# Allegro board FMDEMOD-57.brd (continued)
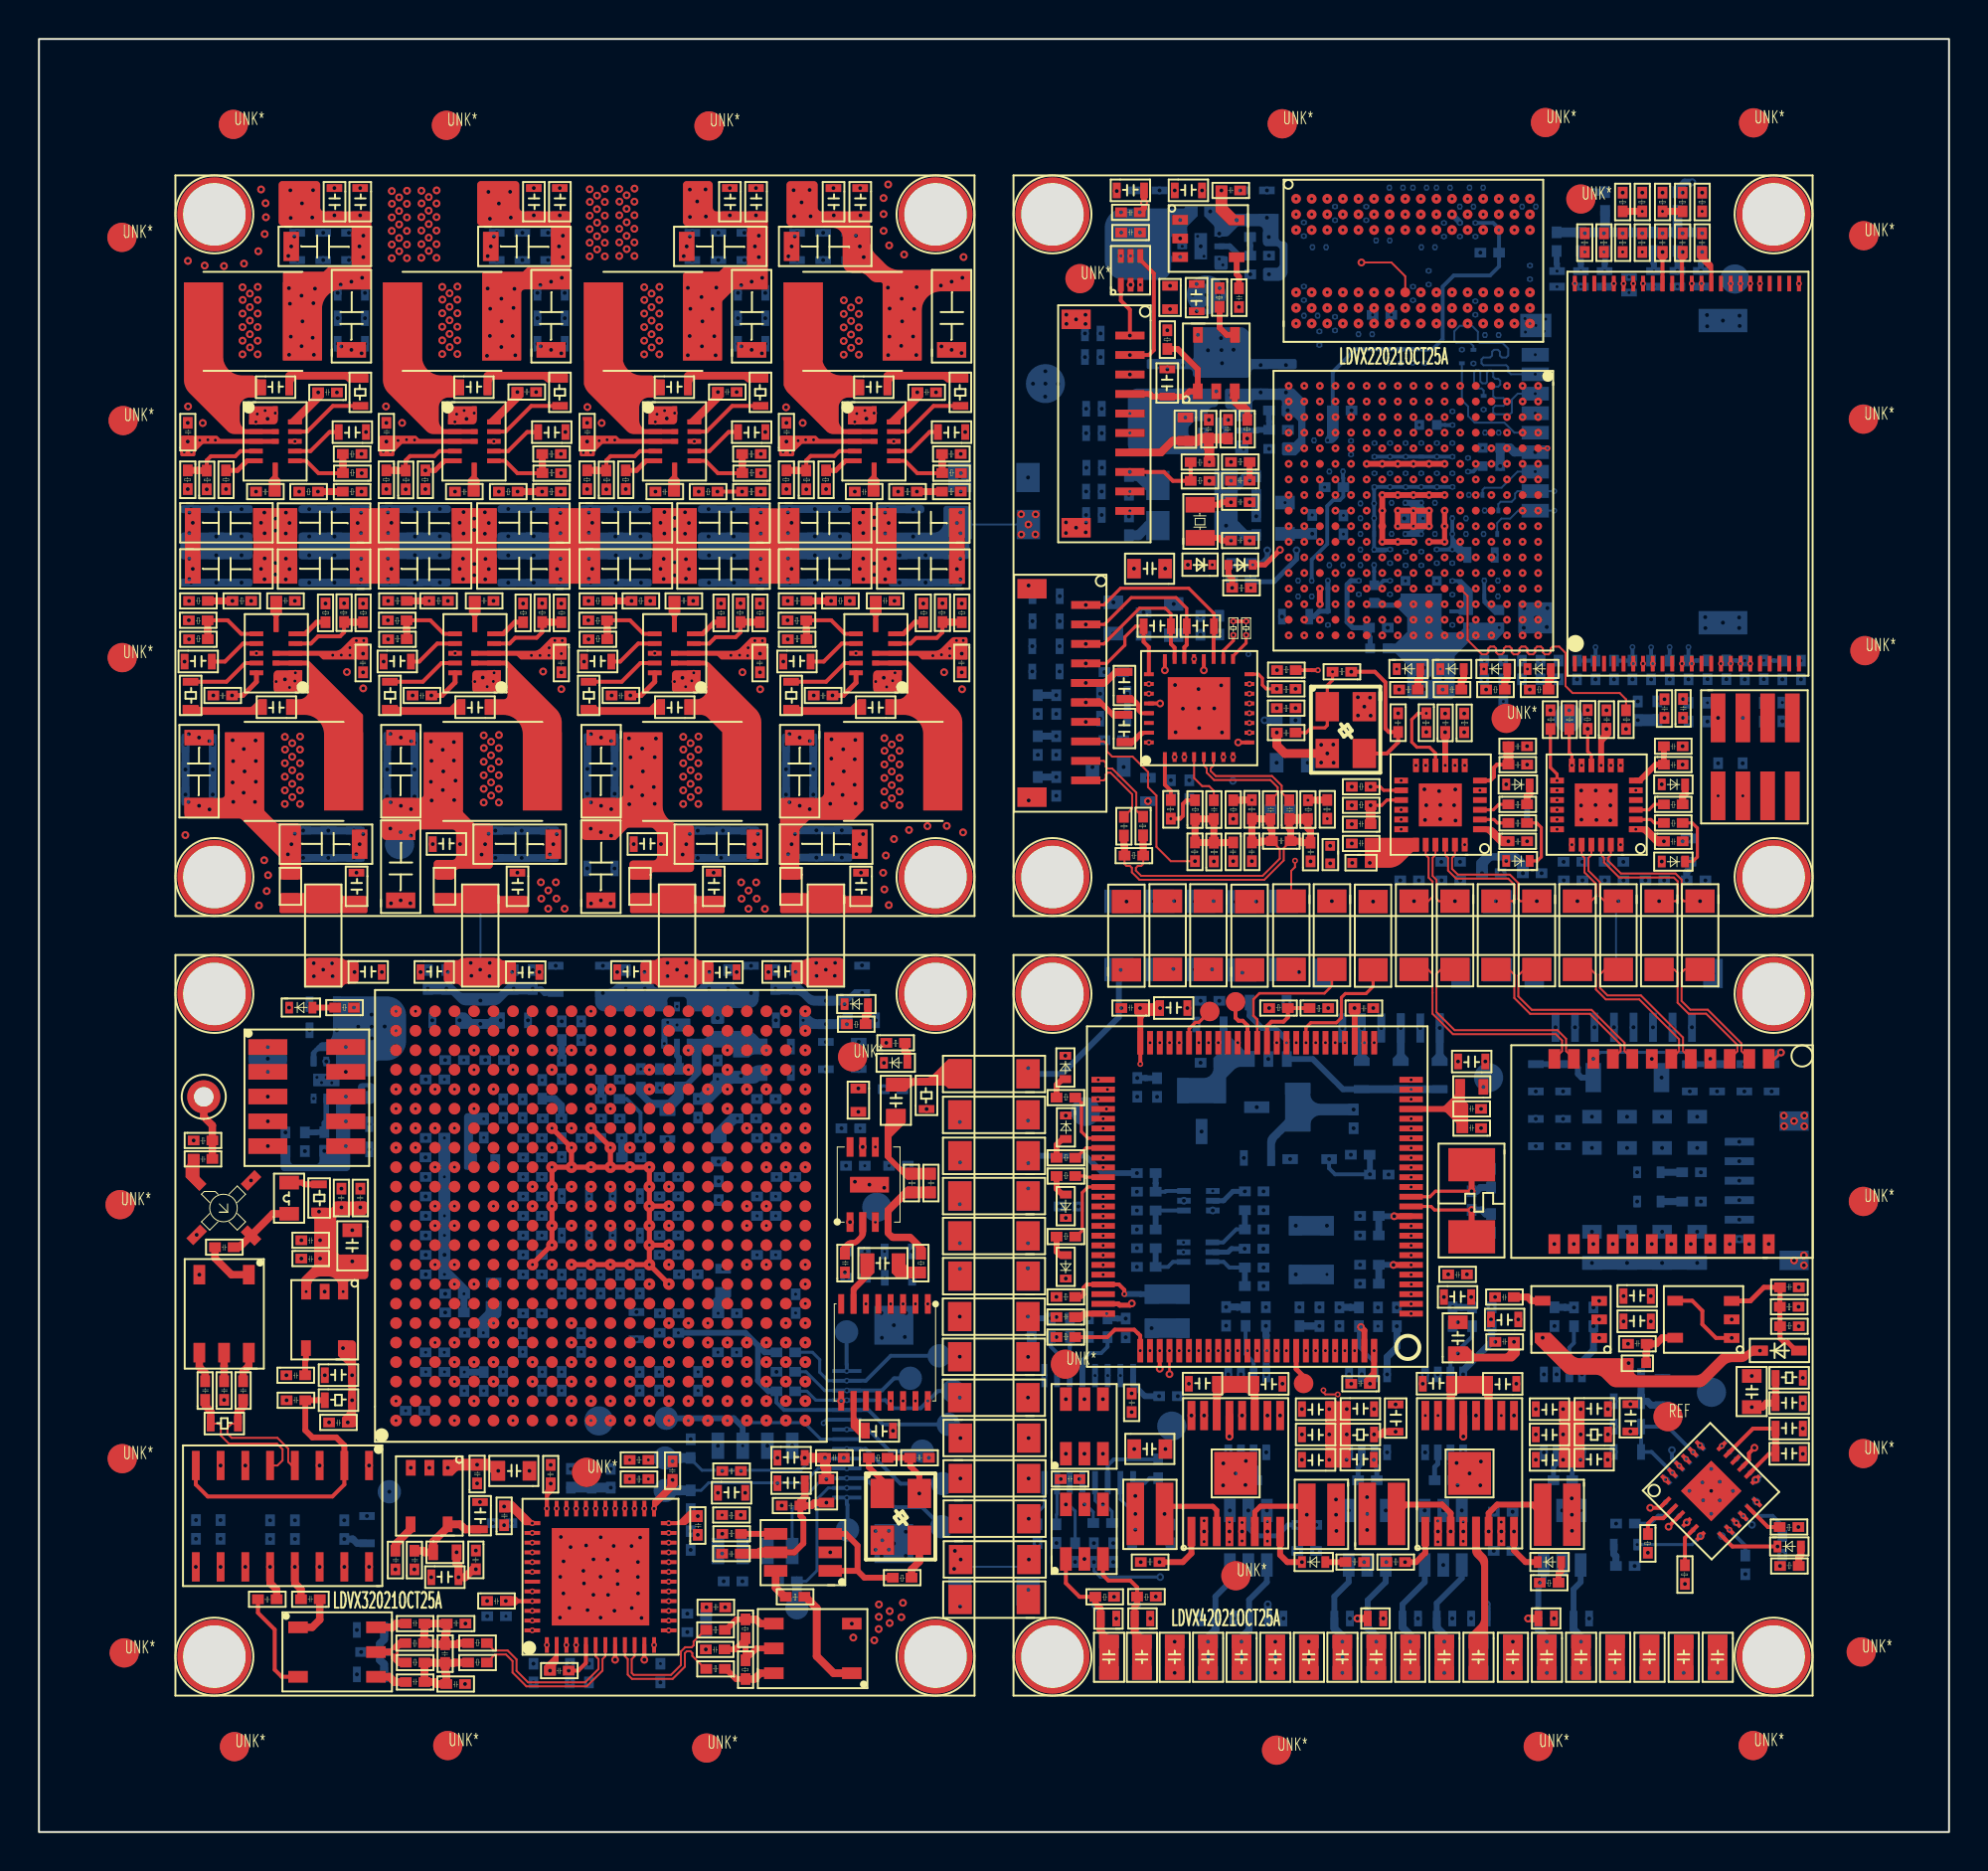
[diagram p0: board, top side]
## Routing (per net, layer and track width the routed paths; a pad name or vN(x,y) marks a point on that pad's centre or on a via; arc(x,y) is an arc through that point) (continued)
1V2_FPGA_PWR:
  vias: v3(38.19,60.05) v3(38.42,61.2) v3(38.44,50.17) v3(38.51,52.84) v3(38.61,50.69) v3(38.79,51.21) v3(39.03,52.66) v3(39.54,52.48) v3(40.6,52.76) v3(40.66,56.07) v3(40.65,55.08) v3(40.73,53.78) v3(41.23,53.21) v3(41.26,55.55) v3(41.29,54.42) v3(41.88,56.03) v3(41.86,55.04) v3(41.85,53.74) v3(41.9,52.77) v4(38.58,50) v4(39.73,55.8) v4(39.73,54.53) v4(39.73,53.23) v4(39.89,50) v4(41.19,50)
2V5_FPGA_IN:
  vias: v3(31.07,44.12) v3(32.25,44.6) v3(32.25,43.91) v3(32.73,44.25) v3(33.21,44.6) v3(33.22,43.91) v3(34.4,44.12) v4(28.93,43.05) v4(30.11,43.27) v4(31.09,43.27) v4(34.38,43.27) v4(34.82,41.76) v4(35.36,43.27) v4(36.53,43.05)
2V5_FPGA_PWR:
  vias: v3(27.97,60.05) v3(28.2,61.2) v3(28.32,52.83) v3(28.31,51.48) v3(28.84,52.66) v3(28.83,51.3) v3(29.36,52.48) v3(29.36,51.12) v3(30.27,56.11) v3(30.35,55.14) v3(30.29,52.73) v3(30.41,53.63) v3(30.95,55.59) v3(30.98,54.42) v3(30.95,53.19) v3(31.55,53.62) v3(31.59,55.15) v3(31.59,52.76) v3(31.65,56.11) v3(31.91,50.69) v3(33.03,50.16) v3(33.21,50.69) v3(33.39,51.21) v4(29.54,55.83) v4(29.54,54.55) v4(29.54,53.27) v4(29.53,49.44) v4(33.8,49.98) v4(35,49.99) v4(36.38,49.98)
3V3_AUDIO: length 15.1
  PWR-L6 w0.26: 59.54,54.09 58.93,54.71 57.49,54.71 57.23,54.45 57.23,54.42 v4(56.9,54.09) 56.2,54.09 v4(55.65,54.64) ; 60.56,54.45 v13(61.27,55.16) 61.97,55.16 62.02,55.11 62.11,55.2 v13(62.11,56.41)
  SIGNAL-L7 w0.26: v13(62.11,56.41) 62.39,56.12 62.39,55.7 61.85,55.16 v13(61.27,55.16) 57.3,55.16 56.9,54.76 v4(56.9,54.09)
  vias: v1(56.95,55.91) v4(52.19,53.17) v4(55.63,56.02) v4(61.26,53.93)
3V3_FPGA: length 1.3
  BOTTOM w0.3: C455.2 25.95,43.05 25.75,43.24 25.36,43.24 v4(25.33,43.27)
  vias: v3(20.98,44.12) v3(22.15,44.59) v3(22.18,43.93) v3(22.64,44.25) v3(23.13,44.59) v3(23.12,43.91) v3(24.27,44.12) v4(19.95,43.27) v4(20.9,43.27) v4(22.65,42.66) v4(24.36,43.27)
3V3_FPGA_PWR:
  vias: v3(17.68,60.05) v3(17.91,61.2) v3(18.04,52.84) v3(18.03,51.49) v3(18.57,52.66) v3(18.56,51.3) v3(19.09,52.48) v3(19.08,51.12) v3(20.11,55.95) v3(20.14,54.96) v3(20.11,53.89) v3(20.15,52.93) v3(20.71,55.53) v3(20.74,54.42) v3(20.72,53.46) v3(21.29,55.93) v3(21.29,54.98) v3(21.3,52.95) v3(21.37,53.95) v3(21.6,50.69) v3(22.71,50.15) v3(22.89,50.69) v3(23.07,51.22) v4(19.27,55.89) v4(19.27,54.52) v4(19.27,53.13) v4(23.41,49.98) v4(24.77,49.98) v4(26.12,49.98)
3V3_IF:
  vias: v3(15.6,24.83) v3(15.85,21.02) v3(16.06,23.44) v3(16.06,22.15) v4(11.86,16) v4(13.13,16) v4(16.83,16.22)
3V3_MCU: length 26.5
  TOP w0.2: U19.50 v1(56.51,39.41)
  TOP w0.3: U19.11 v20(69.53,31.6) ; v1(70.4,29.1) v20(69.5,29.1)
  PWR-L6 w0.2: v1(68.5,24.7) 68.5,25.43 68.7,25.63 v2(68.7,25.95)
  PWR-L6 w0.3: v4(56.35,38.69) 56.35,38.96 56.51,39.12 v1(56.51,39.41) ; v3(72.08,27.45) 72.08,28.02 72.31,28.24 v3(72.31,28.61) 71.67,28.61 71.19,29.1 v1(70.4,29.1) ; v3(75.9,26.3) 75.9,25.92 75.68,25.7 v3(75.68,25.15) 76.06,25.15 76.27,25.36 v3(77.15,25.36) ; v3(53.64,16.81) 53.64,17.38 53.38,17.63 v3(53.38,18.11)
  BOTTOM w0.25: v4(62.05,16.5) 62.05,15.58 62.44,15.19 63.52,15.19 64.08,15.76 v4(64.57,15.76)
  BOTTOM w0.26: U42.5 61.01,29.75 61.18,29.93 v4(61.86,29.93) ; v4(61.87,32.87) 61.26,32.87 60.78,32.39 U41.5
  BOTTOM w0.3: v20(69.53,31.6) 68.76,31.6 C525.1 ; v4(57.47,22.36) 56.74,22.36 56.13,22.97 U47.16 ; v20(69.5,29.1) 69.49,29.11 C546.1 ; R309.2 56.79,38.68 56.78,38.69 v4(56.35,38.69)
  BOTTOM w0.36: C532.1 C525.1 ; C553.1 C546.1
  vias: v1(54.78,26.6) v3(52.2,27.46) v3(52.2,25.4) v3(53.64,22.21) v3(55.16,12.07) v3(56.06,21.55) v3(56.2,19.65) v3(56.49,42.28) v3(57.3,12.08) v3(57.52,42.28) v3(58.27,9.77) v3(58.27,8.17) v3(66.15,42.28) v3(67.5,42.28) v3(67.99,13.85) v3(68.29,23) v3(68.61,9.77) v3(68.61,8.17) v3(68.97,10.96) v3(72.8,24.56) v3(74.11,38.23) v3(74.21,39.54) v3(77,12.79) v3(77.36,9.77) v3(77.36,8.17) v3(77.73,10.96) v3(81.56,24.06) v3(88.3,24.7) v3(89.33,13.65) v4(52.37,32.1) v4(55.15,12.08) v4(57.3,12.08) v4(58.05,15.78) v4(59.38,41.44) v4(60.56,42.65) v4(61.82,34.59) v4(63.44,9.77) v4(63.44,8.17) v4(63.85,10.96) v4(64.02,42.56) v4(64.48,31.11) v4(64.67,26.92) v4(65.52,14.43) v4(66.08,31.11) v4(68.15,16.5) v4(69.24,33.73) v4(72.05,16.5) v4(73.48,10.96) v4(73.86,9.77) v4(73.86,8.17) v4(74.65,16.43) v4(75.6,14.43) v4(78.15,16.5) v4(81.87,13.65)
5V_AUDIO:
  vias: v1(56.95,58.91) v1(59.27,60.19) v4(55.63,59.52) v4(56.68,61.38) v4(58.22,61.41) v4(59.59,61.43) v4(60.56,61.44)
5V_FPGA: length 33.8
  SIGNAL-L4 w0.36: v3(42.04,38.15) 40.12,38.15 37.44,40.84 20.68,40.84 15.52,35.68 v3(15.52,32.05)
  PWR-L6 w0.26: 12.85,34.58 12.65,34.78 v4(12.65,34.94)
  vias: v1(13.71,27.73) v1(15.61,27.73) v3(14.37,31.83) v3(14.42,30.36) v3(14.42,29.42) v3(16.07,29.28) v3(16.49,32.05) v3(19.08,18.69) v3(20.98,18.69) v3(22.48,18.85) v3(23.56,18.53) v4(14.64,34.95) v4(15.39,37.64) v4(15.54,36.32) v4(15.54,35.02) v4(16.8,38.12) v4(42.06,39.15) v4(43.34,38.11)
5V_FPGA_IN:
  vias: v3(14.09,44.58) v3(14.1,43.91) v3(14.58,44.25) v3(15.03,44.57) v3(15.07,43.91) v3(16.19,44.12) v4(15.28,42.48) v4(15.28,41.14) v4(16.38,41.32) v4(17.06,41.94) v4(17.07,41.32) v4(17.08,40.72) v4(17.74,41.33)
5V_FPGA_PWR:
  vias: v3(7.47,60.05) v3(7.7,61.2) v3(7.67,52.85) v3(8.21,52.66) v3(8.75,52.47) v3(9.94,56.02) v3(9.94,53.85) v3(9.96,54.94) v3(9.97,52.86) v3(10.51,55.57) v3(10.55,54.42) v3(10.5,53.33) v3(11.11,56.01) v3(11.13,54.95) v3(11.13,53.89) v3(11.08,52.85) v3(12.77,50.16) v3(12.95,50.69) v3(13.13,51.22) v4(8.92,55.8) v4(8.92,54.52) v4(8.92,53.23) v4(13.55,49.98) v4(14.85,49.98) v4(16.16,49.98)
5V_MCU: length 15.2
  PWR-L6 w0.2: v3(80.05,25.35) 80.45,25.35 v3(81.3,26.2) v3(81.3,27.5) 80.68,27.5 80.43,27.25 v3(80.05,27.25)
  BOTTOM w0.36: v4(79.17,23.48) 79.17,24.13 79.76,24.72 v4(79.76,25.95) ; v4(69.17,23.48) 69.17,24.37 69.67,24.87 v4(69.67,25.95) ; v4(74.53,25.95) 74.53,25.14 73.07,23.68 v4(73.07,23.48) ; v4(62.97,23.48) 62.97,25.47 62.95,25.49 v4(62.95,25.97)
  vias: v4(79.68,35.1) v4(81.48,35.1) v4(83.28,35.1) v4(85.08,35.1) v4(85.27,33.85) v4(87.24,35.42) v4(87.24,34.42)
12V_MTR: length 1.2
  TOP w0.36: v3(68.5,20.4) 68.88,20.4 69.02,20.54 v3(69.6,20.54)
  vias: v3(80.5,20.4) v3(81.65,20.55) v3(90.29,25.95) v3(90.5,23.3) v4(79.68,30.8) v4(80.8,23.4) v4(81.48,30.8) v4(83.28,30.8) v4(85.08,30.8) v4(85.27,32.35) v4(87.24,31.42) v4(87.24,30.42)
GND: length 61.3
  TOP w0.2: v25(27.18,8.28) 27.67,8.28 28.06,8.67 U33.5 ; U33.11 v25(31.06,8.84) ; U33.8 v25(29.56,8.84)
  TOP w0.25: U19.74 55.38,27.1 55.45,27.03 55.98,27.03 v25(56.07,27.12)
  TOP w0.3: U19.99 68,25.73 v25(67.83,25.91)
  TOP w0.38: D23.1 v25(67.65,10.96) ; D24.1 v25(76.41,10.96)
  TOP w0.4: U27.13 v25(73.08,20.29) ; U26.13 61.08,20.35 v25(61.08,20.29)
  TOP w0.45: v26(66.1,55.34) 63.92,55.34 63.51,55.75 v26(63.51,56.41)
  GND-L2 w0.1: v24(67.32,71) 66.95,71.37 65.35,71.37 ; v24(67.32,69.4) 66.92,69.8 66.12,69.8 v24(65.72,69.4) ; 77.37,63.39 75.71,63.39 ; 75.71,63.39 72.51,63.39 v24(72.12,63) ; 75.71,63.39 v24(75.32,63) ; v24(68.12,66.2) 67.74,66.58 66.1,66.58 v24(65.72,66.2) ; v26(61.01,72.46) 61.56,73.01 65.31,73.01 ; 65.35,71.37 62.49,71.37 62.37,71.5 v27(61.99,71.5) ; 65.35,71.37 v24(65.72,71) ; v24(67.32,72.6) 66.91,73.01 ; 66.91,73.01 65.31,73.01 ; 66.91,73.01 68.51,73.01 v24(68.92,72.6) ; v24(72.12,71) 71.72,71.39 70.92,71.39 v24(70.52,71) ; v24(75.32,66.2) 74.91,66.61 74.13,66.61 v24(73.72,66.2) ; 65.31,73.01 v24(65.72,72.6)
  BOTTOM w0.1: v21(47.27,67.09) v20(50.77,67.09) ; v21(80.92,44.15) v21(80.92,47.72) ; v21(22.65,47.74) v21(22.65,44.24) ; v21(47.27,13.61) v21(50.73,13.61)
  BOTTOM w0.2: J9.6 40.43,21.16 v31(40.26,20.98)
  BOTTOM w0.38: D51.1 v21(63.05,11.68) ; C247.2 84.06,84.27 84.44,84.65 v21(84.83,84.65) ; C248.2 v21(79.78,84.14) ; v21(74.28,11.68) 74.28,11.47 74.28,11.47 D46.1
  vias: v4(34.23,10.26) v9(21.93,72.51) v20(7.51,51.15) v20(7.64,80.61) v20(7.65,73.15) v20(8.4,72.3) v20(8.5,80.38) v20(9.49,80.35) v20(10.44,79.26) v20(10.44,77.91) v20(10.44,77.22) v20(10.44,76.52) v20(10.44,75.82) v20(10.52,80.47) v20(10.45,78.61) v20(10.82,78.94) v20(10.82,78.24) v20(10.82,77.55) v20(10.82,76.85) v20(10.82,76.17) v20(11.22,79.28) v20(11.22,78.61) v20(11.22,77.91) v20(11.22,77.22) v20(11.22,76.52) v20(11.22,75.82) v20(11.25,81.11) v20(11.29,47.54) v20(11.39,84.28) v20(11.62,83.57) v20(11.64,82.85) v20(11.58,81.99) v20(11.55,49.86) v20(11.68,48.28) v20(11.75,49.09) v20(12.62,56.19) v20(12.62,55.54) v20(12.62,54.84) v20(12.61,54.15) v20(12.62,53.45) v20(12.61,52.75) v20(12.99,55.87) v20(12.99,55.17) v20(12.99,54.48) v20(12.99,53.78) v20(13,53.1) v20(13.4,56.21) v20(13.39,55.54) v20(13.39,54.84) v20(13.39,54.15) v20(13.39,53.45) v20(13.39,52.75) v20(15.8,59.52) v20(16.64,58.68) v20(17.8,73.15) v20(18.1,84.2) v20(18.11,83.55) v20(18.1,82.84) v20(18.1,82.15) v20(18.1,81.45) v20(18.1,80.75) v20(18.48,83.87) v20(18.48,83.17) v20(18.48,82.48) v20(18.48,81.79) v20(18.48,81.11) v20(18.63,72.3) v20(18.88,84.21) v20(18.88,83.54) v20(18.88,82.85) v20(18.88,82.15) v20(18.88,81.45) v20(18.88,80.75) v20(19.62,84.21) v20(19.63,83.56) v20(19.62,82.86) v20(19.62,82.17) v20(19.62,81.47) v20(19.62,80.77) v20(20,83.89) v20(19.99,83.19) v20(20,82.5) v20(20,81.8) v20(20,81.13) v20(20.4,84.23) v20(20.4,83.56) v20(20.4,82.86) v20(20.39,82.17) v20(20.4,81.47) v20(20.4,80.77) v20(20.69,79.28) v20(20.7,78.63) v20(20.69,77.93) v20(20.69,77.23) v20(20.69,76.54) v20(20.69,75.84) v20(21.07,78.95) v20(21.06,78.26) v20(21.07,77.57) v20(21.07,76.87) v20(21.07,76.19) v20(21.47,79.3) v20(21.46,78.62) v20(21.47,77.93) v20(21.46,77.23) v20(21.46,76.53) v20(21.47,75.84) v20(22.82,56.27) v20(22.83,55.62) v20(22.82,54.92) v20(22.82,54.22) v20(22.82,53.53) v20(22.82,52.83) v20(23.2,55.94) v20(23.19,55.25) v20(23.2,54.56) v20(23.2,53.86) v20(23.2,53.18) v20(23.6,56.28) v20(23.59,55.61) v20(23.59,54.92) v20(23.59,54.23) v20(23.59,53.52) v20(23.59,52.83) v20(25.75,48.73) v20(25.77,47.89) v20(25.86,59.55) v20(26.13,48.31) v20(26.13,47.38) v20(26.52,48.73) v20(26.55,47.89) v20(26.75,13.09) v20(26.73,11) v20(26.8,58.64) v20(26.77,15.14) v20(26.91,13.89) v20(26.91,12.24) v20(26.97,47.37) v20(27.21,11.5) v20(27.27,14.62) v20(27.93,13.4) v20(27.96,12.75) v20(28.14,73.11) v20(28.07,14.7) v20(28.14,11.39) v20(28.26,84.29) v20(28.26,83.64) v20(28.26,82.94) v20(28.25,82.24) v20(28.25,81.55) v20(28.25,80.85) v20(28.45,13.99) v20(28.45,12.17) v20(28.63,83.96) v20(28.63,83.27) v20(28.63,82.58) v20(28.63,81.88) v20(28.64,81.2) v20(28.82,15.12) v20(28.81,13.1) v20(28.81,11) v20(28.87,72.3) v20(29.04,84.31) v20(29.03,83.64) v20(29.03,82.94) v20(29.03,82.25) v20(29.03,81.55) v20(29.03,80.85) v20(29.17,13.98) v20(29.2,12.17) v20(29.49,14.68) v20(29.52,11.35) v20(29.68,13.4) v20(29.69,12.72) v20(29.77,84.31) v20(29.78,83.66) v20(29.77,82.95) v20(29.77,82.26) v20(29.77,81.56) v20(29.77,80.86) v20(30.15,83.28) v20(30.15,83.98) v20(30.15,82.59) v20(30.15,81.9) v20(30.16,81.22) v20(30.4,14.67) v20(30.41,11.49) v20(30.55,82.26) v20(30.55,84.32) v20(30.55,83.65) v20(30.55,82.95) v20(30.55,81.56) v20(30.55,80.86) v20(30.73,13.86) v20(30.73,13.09) v20(30.74,12.24) v20(30.84,15.11) v20(30.91,10.98) v20(31.05,79.26) v20(31.06,78.61) v20(31.05,77.91) v20(31.05,77.22) v20(31.05,76.52) v20(31.05,75.82) v20(31.43,78.94) v20(31.43,78.24) v20(31.43,77.55) v20(31.43,76.85) v20(31.43,76.17) v20(31.83,79.28) v20(31.83,78.61) v20(31.83,77.91) v20(31.83,77.22) v20(31.83,76.52) v20(31.83,75.82) v20(33.05,56.19) v20(33.06,55.54) v20(33.05,54.84) v20(33.05,54.15) v20(33.05,53.45) v20(33.05,52.75) v20(33.43,55.87) v20(33.43,55.17) v20(33.43,54.48) v20(33.43,53.78) v20(33.44,53.1) v20(33.84,56.21) v20(33.83,55.54) v20(33.83,54.84) v20(33.83,54.15) v20(33.83,53.45) v20(33.83,52.75) v20(36.03,48.73) v20(36.05,47.89) v20(36.09,59.51) v20(36.41,48.31) v20(36.4,47.37) v20(36.8,48.72) v20(36.83,47.89) v20(37,58.63) v20(37.25,47.37) v20(38.33,73.1) v20(39.19,72.3) v20(41.3,78.59) v20(41.29,77.89) v20(41.29,77.2) v20(41.29,76.5) v20(41.29,75.8) v20(41.66,78.22) v20(41.67,77.53) v20(41.67,76.84) v20(41.67,76.16) v20(41.78,9.98) v20(42.06,78.59) v20(42.07,77.89) v20(42.06,77.2) v20(42.06,76.5) v20(42.07,75.8) v20(42.86,9.84) v20(43.1,11.68) v20(43.09,11.04) v20(43.08,10.42) v20(43.33,83.84) v20(43.33,83.01) v20(43.34,82.16) v20(43.31,49.22) v20(43.38,56.13) v20(43.38,55.48) v20(43.38,54.78) v20(43.37,54.08) v20(43.38,53.39) v20(43.37,52.69) v20(43.38,48.36) v20(43.45,50.1) v20(43.57,84.53) v20(43.62,81.41) v20(43.6,47.56) v20(43.65,11.33) v20(43.65,10.72) v20(43.75,55.8) v20(43.75,55.11) v20(43.75,54.42) v20(43.75,53.72) v20(43.76,53.04) v20(43.87,50.95) v20(44.15,54.09) v20(44.16,56.14) v20(44.15,55.48) v20(44.15,54.78) v20(44.15,53.38) v20(44.15,52.69) v20(44.25,11.03) v20(44.33,11.76) v20(44.39,80.94) v20(44.64,51.41) v20(45.58,51.61) v20(46.44,59.51) v20(46.58,51.62) v20(47.44,80.81) v20(47.36,58.64) v20(47.41,51.29) v20(50.39,67.61) v20(50.4,66.57) v20(51.14,67.61) v20(51.12,66.58) v20(89.53,36.76) v20(89.54,36.22) v20(90.05,36.48) v20(90.05,29.33) v20(90.57,36.76) v20(90.57,36.22) v20(90.55,29.59) v20(90.56,29.08) v21(7.52,55.8) v21(7.52,54.52) v21(7.52,53.23) v21(7.8,66.47) v21(7.8,65.51) v21(8.06,16) v21(9.09,66.47) v21(9.09,65.51) v21(10.39,66.47) v21(10.39,65.51) v21(11.74,39.68) v21(13.25,80.65) v21(13.55,51.38) v21(13.64,34.94) v21(13.87,66.47) v21(13.87,65.51) v21(13.88,42.48) v21(13.88,41.14) v21(14.14,48.07) v21(14.14,47.44) v21(14.11,44.58) v21(14.11,43.92) v21(14.58,80.66) v21(14.59,47.74) v21(14.59,44.24) v21(14.85,51.38) v21(15.04,43.94) v21(15.05,48.06) v21(15.06,47.42) v21(15.07,44.57) v21(15.16,66.47) v21(15.16,65.51) v21(15.66,16) v21(15.9,80.66) v21(16.16,51.38) v21(16.31,10.37) v21(16.31,8.09) v21(16.46,66.47) v21(16.46,65.51) v21(16.53,9.23) v21(16.73,78.97) v21(16.73,77.67) v21(16.73,76.36) v21(16.94,36.32) v21(16.94,35.02) v21(17.87,55.89) v21(17.87,54.52) v21(17.87,53.13) v21(17.99,66.47) v21(17.99,65.51) v21(19.29,66.47) v21(19.29,65.51) v21(19.84,38.62) v21(19.84,35.61) v21(19.83,34.62) v21(19.84,33.61) v21(19.84,32.61) v21(19.85,31.61) v21(19.85,30.61) v21(19.85,29.61) v21(19.85,28.61) v21(19.95,44.23) v21(20.18,41.65) v21(20.57,66.48) v21(20.57,65.51) v21(20.84,39.61) v21(20.84,27.62) v21(20.84,26.66) v21(20.9,44.23) v21(22.17,48.08) v21(22.19,47.42) v21(22.16,44.59) v21(22.19,43.93) v21(22.9,39.61) v21(23,11.07) v21(23.1,48.06) v21(23.1,47.44) v21(23.13,44.58) v21(23.1,43.93) v21(23.28,15.85) v21(23.41,51.38) v21(23.48,80.66) v21(24.08,66.48) v21(24.08,65.5) v21(24.36,44.23) v21(24.8,80.66) v21(24.77,51.38) v21(25.09,41.65) v21(25.33,44.23) v21(25.39,66.48) v21(25.39,65.5) v21(25.37,7.68) v21(26.12,80.66) v21(26.12,51.38) v21(26.51,44.45) v21(26.68,66.47) v21(26.68,65.5) v21(26.82,41.59) v21(26.98,78.97) v21(26.98,77.67) v21(26.98,76.36) v21(27.24,7.68) v21(27.29,18.63) v21(28.14,55.83) v21(28.14,54.55) v21(28.14,53.27) v21(28.13,49.44) v21(28.22,7.68) v21(28.29,66.47) v21(28.3,65.5) v21(28.36,18.63) v21(28.93,44.45) v21(29.34,18.63) v21(29.57,66.47) v21(29.59,65.5) v21(30.11,44.23) v21(30.66,26.68) v21(30.86,66.47) v21(30.89,65.5) v21(31.09,44.23) v21(31.88,7.68) v21(32.25,35.55) v21(32.28,48.06) v21(32.27,47.41) v21(32.27,44.57) v21(32.29,43.92) v21(32.75,47.74) v21(32.75,44.24) v21(33.23,48.08) v21(33.21,47.42) v21(33.22,44.58) v21(33.2,43.93) v21(33.44,20.15) v21(33.44,14.48) v21(33.52,80.66) v21(33.8,51.38) v21(34.36,66.47) v21(34.38,65.5) v21(34.38,44.23) v21(34.84,14.42) v21(34.86,80.66) v21(34.88,32.43) v21(35.09,51.38) v21(35.13,12.86) v21(35.36,44.23) v21(35.64,66.47) v21(35.66,65.5) v21(36.19,80.66) v21(36.38,51.38) v21(36.53,44.45) v21(36.94,66.47) v21(36.95,65.5) v21(37.27,78.97) v21(37.27,77.67) v21(37.27,76.36) v21(37.78,44.23) v21(37.81,41.65) v21(37.84,23.61) v21(38.33,55.8) v21(38.33,54.53) v21(38.33,53.23) v21(38.52,66.48) v21(38.53,65.5) v21(38.58,51.4) v21(38.75,44.23) v21(38.9,80.66) v21(39.81,66.48) v21(39.81,65.5) v21(39.89,51.4) v21(39.89,48.1) v21(39.9,47.42) v21(39.91,44.57) v21(39.93,43.94) v21(40.23,80.66) v21(40.38,47.74) v21(40.38,44.24) v21(40.37,39.14) v21(40.84,44.57) v21(40.81,43.95) v21(40.85,48.11) v21(40.85,47.42) v21(41.1,66.48) v21(41.1,65.5) v21(41.19,51.4) v21(41.17,36.11) v21(41.41,34.19) v21(41.41,29.79) v21(41.42,28.44) v21(41.57,80.66) v21(42.06,40.55) v21(42.23,44.47) v21(42.94,41.65) v21(43.22,26.63) v21(43.25,25.36) v21(43.2,15.43) v21(43.23,14.15) v21(43.55,66.47) v21(43.86,26) v21(43.86,14.8) v21(44.15,65.51) v21(44.3,38.11) v21(44.42,25.4) v21(44.48,26.63) v21(44.47,15.41) v21(44.47,14.17) v21(44.58,34.19) v21(44.79,29.79) v21(44.8,28.44) v21(44.85,66.47) v21(45.49,65.51) v21(46.82,65.51) v21(53.16,13.86) v21(55.13,63.09) v21(55.28,10.96) v21(55.92,68.61) v21(55.92,67.5) v21(56.09,14.83) v21(56.35,37.73) v21(57.02,10.96) v21(57.39,75.27) v21(58.05,14.82) v21(58.28,9.77) v21(58.28,8.17) v21(58.43,22.36) v21(58.7,75.27) v21(58.74,32.39) v21(59.2,78.88) v21(59.61,81.36) v21(59.6,42.65) v21(59.6,39.47) v21(59.65,35.94) v21(59.56,10.96) v21(59.88,79.53) v21(59.89,78.87) v21(59.91,78.22) v21(59.98,76.03) v21(60.53,78.9) v21(60.65,76.65) v21(60.67,76.04) v21(60.7,75.36) v21(60.67,71.9) v21(60.91,25.98) v21(61.02,23.48) v21(61.22,65.11) v21(61.21,64.16) v21(61.29,76.06) v21(61.29,10.96) v21(61.74,84.23) v21(61.67,23.48) v21(62.05,13.7) v21(62.48,37.19) v21(62.68,75.27) v21(62.83,32.87) v21(62.82,29.93) v21(63,84.23) v21(62.95,26.93) v21(62.97,19.48) v21(63.11,80.89) v21(63.08,39.66) v21(63.78,62.36) v21(63.98,75.27) v21(64.08,71.95) v21(64.19,34.53) v21(64.47,57.05) v21(64.48,28.61) v21(64.56,14.43) v21(65.1,54.86) v21(65.16,9.77) v21(65.16,8.17) v21(65.53,15.76) v21(65.7,26.92) v21(65.81,44.06) v21(66.72,25.96) v21(66.87,41.25) v21(67.22,23.48) v21(67.34,72.94) v21(67.31,34.75) v21(67.26,10.96) v21(67.45,36.11) v21(67.78,31.61) v21(67.78,30.61) v21(67.78,29.11) v21(67.78,28.13) v21(67.87,23.48) v21(68.15,13.7) v21(68.7,26.91) v21(68.87,41.25) v21(68.97,10.96) v21(69.2,61.79) v21(69.17,19.48) v21(69.67,26.91) v21(70.05,67.4) v21(70.76,10.96) v21(70.87,41.25) v21(71.12,23.48) v21(71.77,23.48) v21(72.05,13.7) v21(72.53,25.96) v21(72.52,10.96) v21(72.96,44.06) v21(73.07,19.48) v21(73.95,81.04) v21(74.5,34.03) v21(74.5,30.75) v21(74.53,26.91) v21(74.64,14.43) v21(74.69,65.52) v21(75.61,16.43) v21(75.63,9.77) v21(75.63,8.17) v21(76.2,62.8) v21(76.18,61.79) v21(76.72,44.05) v21(76.8,62.3) v21(76.8,35.19) v21(77.22,23.48) v21(77.39,62.8) v21(77.36,61.83) v21(77.73,10.96) v21(77.76,25.96) v21(77.87,23.48) v21(78.2,35.19) v21(78.15,13.7) v21(79.17,19.48) v21(79.53,10.96) v21(79.68,36.7) v21(79.68,29.2) v21(79.76,26.91) v21(79.86,59.14) v21(80.81,59.14) v21(80.8,22.1) v21(80.8,20.8) v21(80.8,19.5) v21(80.92,15.83) v21(81.48,36.7) v21(81.48,29.2) v21(82,33.85) v21(82,32.35) v21(82.72,59.14) v21(83.25,38.71) v21(83.28,36.7) v21(83.28,29.2) v21(83.3,23.3) v21(83.67,59.14) v21(84.97,17.5) v21(85.08,36.7) v21(85.08,29.2) v21(85.26,19.81) v21(85.49,62.33) v21(85.5,61.77) v21(85.58,77.84) v21(85.59,77.26) v21(85.8,18.32) v21(85.8,17.5) v21(85.8,16.61) v21(86.15,54.84) v21(86.4,77.55) v21(86.4,62.05) v21(86.56,17.52) v21(87.23,62.32) v21(87.23,61.78) v21(87.24,33.42) v21(87.24,32.42) v21(87.25,77.8) v21(87.26,77.28) v21(87.41,54.84) v21(87.52,59.14) v21(87.5,38) v21(87.55,13.23) v21(88.9,38) v21(89.45,14.23) v24(11.13,72.35) v24(11.2,72.76) v24(11.6,72.93) v24(12.12,72.8) v24(12.17,59.03) v24(12.86,58.73) v24(13.13,59.06) v24(13.16,59.48) v24(18.32,42.11) v24(18.32,21.11) v24(20.32,38.11) v24(20.32,36.11) v24(20.32,34.11) v24(20.32,32.11) v24(20.32,31.11) v24(20.32,29.11) v24(20.32,25.11) v24(21.34,72.35) v24(21.32,28.11) v24(21.32,23.11) v24(21.43,72.75) v24(21.81,72.94) v24(22.33,72.8) v24(22.32,40.11) v24(22.32,38.11) v24(22.36,59.03) v24(22.99,58.77) v24(23.31,59.04) v24(23.32,32.11) v24(23.32,25.11) v24(23.32,23.11) v24(23.35,59.48) v24(24.32,40.11) v24(24.32,22.11) v24(25.32,33.11) v24(25.32,32.11) v24(25.32,23.11) v24(25.31,15.35) v24(25.31,12.35) v24(25.31,10.35) v24(26.32,39.11) v24(26.32,35.11) v24(26.32,29.11) v24(27.32,36.11) v24(27.32,33.11) v24(27.32,32.11) v24(27.32,31.11) v24(27.32,30.11) v24(27.32,23.11) v24(28.32,40.11) v24(28.32,35.11) v24(28.32,33.11) v24(28.32,32.11) v24(28.32,31.11) v24(28.32,30.11) v24(28.56,16.6) v24(29.32,33.11) v24(29.32,32.11) v24(29.32,31.11) v24(29.32,30.11) v24(30.32,35.11) v24(30.32,33.11) v24(30.32,32.11) v24(30.32,31.11) v24(30.32,30.11) v24(30.32,23.11) v24(31.32,39.11) v24(31.32,28.11) v24(31.62,72.35) v24(31.71,72.75) v24(32.1,72.93) v24(32.32,33.11) v24(32.32,31.11) v24(32.32,29.11) v24(32.32,23.11) v24(32.31,15.35) v24(32.31,11.85) v24(32.31,11.35) v24(32.61,72.8) v24(32.61,59.03) v24(33.18,58.76) v24(33.32,40.11) v24(33.49,59.07) v24(33.59,59.48) v24(34.32,25.11) v24(34.32,23.11) v24(35.32,40.11) v24(35.32,38.11) v24(36.32,23.11) v24(37.32,40.11) v24(37.32,38.11) v24(37.32,36.11) v24(37.32,35.11) v24(37.32,32.11) v24(37.32,31.11) v24(37.32,29.11) v24(37.32,25.11) v24(38.32,22.11) v24(39.32,42.11) v24(39.32,26.11) v24(39.32,21.11) v24(41.86,72.35) v24(41.96,72.78) v24(42.38,72.94) v24(42.85,72.8) v24(42.93,59.03) v24(43.49,58.75) v24(43.7,27.1) v24(43.8,59.07) v24(43.92,59.48) v24(57.01,40.5) v24(64.12,74.2) v24(64.12,63.8) v24(64.12,61.4) v24(64.5,83.8) v24(64.92,63.8) v24(65.3,83.8) v24(65.3,79) v24(65.3,77.4) v24(65.72,62.2) v24(65.72,61.4) v24(66.9,83) v24(66.9,77.4) v24(67.7,83) v24(67.7,78.2) v24(67.7,77.4) v24(68.01,40.5) v24(68.12,69.4) v24(68.12,68.6) v24(68.12,67.8) v24(68.12,67) v24(68.12,65.4) v24(68.5,83.8) v24(68.92,69.4) v24(68.92,65.4) v24(69.3,83.8) v24(69.3,83) v24(69.3,77.4) v24(69.72,69.4) v24(69.72,65.4) v24(70.4,36.1) v24(70.4,35.6) v24(70.4,31.1) v24(70.52,69.4) v24(70.52,65.4) v24(70.9,78.2) v24(71.32,69.4) v24(71.32,65.4) v24(72.12,72.6) v24(72.12,69.4) v24(72.12,65.4) v24(72.92,70.2) v24(72.92,69.4) v24(72.92,68.6) v24(72.92,67.8) v24(72.92,67) v24(72.92,66.2) v24(72.92,65.4) v24(73.3,83.8) v24(73.3,77.4) v24(73.72,68.6) v24(74.9,83.8) v24(74.9,77.4) v24(75.32,72.6) v24(75.32,69.4) v24(76.5,83.8) v24(76.5,77.4) v24(76.92,74.2) v24(76.92,61.4) v24(86.34,19.81) v25(7.63,72.3) v25(7.72,67.7) v25(7.71,66.65) v25(7.71,65.34) v25(7.71,64.28) v25(7.69,62.17) v25(7.69,56.33) v25(7.89,67.17) v25(7.89,64.81) v25(7.94,35.48) v25(8.09,30.64) v25(8.21,56.16) v25(8.23,28.6) v25(8.61,68.89) v25(8.74,55.98) v25(8.95,58.32) v25(9.32,18.81) v25(9.5,22.17) v25(10.59,18.81) v25(10.59,13.61) v25(10.89,63.17) v25(10.88,33.43) v25(11.14,68.78) v25(11.73,72.51) v25(11.74,40.27) v25(12.62,59.14) v25(12.69,23.44) v25(12.7,22.15) v25(12.79,80.87) v25(12.83,42.3) v25(12.94,81.36) v25(13.1,81.87) v25(13.13,63.17) v25(13.35,68.78) v25(13.46,30.36) v25(13.46,29.42) v25(14.4,18.81) v25(14.4,13.61) v25(14.66,27.73) v25(14.66,23.44) v25(14.88,21.02) v25(15.16,84.35) v25(15.29,73.86) v25(15.51,76.23) v25(15.52,33.01) v25(15.65,63.05) v25(16.03,76.05) v25(16.07,30.88) v25(16.28,50.17) v25(16.29,49.22) v25(16.35,67.16) v25(16.35,64.8) v25(16.48,84.35) v25(16.53,67.69) v25(16.52,66.65) v25(16.53,65.33) v25(16.53,64.27) v25(16.45,50.69) v25(16.49,33.01) v25(16.55,75.87) v25(16.56,69.72) v25(16.63,59.5) v25(16.63,51.2) v25(16.94,18.81) v25(17.59,44.12) v25(17.82,72.3) v25(17.9,67.71) v25(17.91,66.65) v25(17.9,65.34) v25(17.9,64.28) v25(17.9,62.17) v25(18.03,56.34) v25(18.08,67.17) v25(18.08,64.81) v25(18.06,47.65) v25(18.29,13.47) v25(18.57,56.16) v25(18.56,47.8) v25(18.82,68.89) v25(19.1,55.97) v25(19.05,47.65) v25(19.17,58.32) v25(19.26,13.47) v25(19.58,44.12) v25(20.03,18.69) v25(20.13,13.07) v25(20.2,50.69) v25(20.98,63.17) v25(21.34,68.78) v25(21.88,10.69) v25(21.86,7.59) v25(22.42,14.44) v25(22.48,17.89) v25(22.63,16.93) v25(22.77,59.24) v25(23.02,80.86) v25(22.99,11.86) v25(23.18,81.36) v25(23.34,81.86) v25(23.32,63.17) v25(23.6,68.78) v25(23.86,15.74) v25(24.55,49.22) v25(25.16,18.53) v25(25.39,84.35) v25(25.51,73.88) v25(25.74,76.23) v25(25.68,44.12) v25(25.82,63.05) v25(26.21,50.16) v25(26.27,76.05) v25(26.26,18.84) v25(26.39,50.69) v25(26.58,67.16) v25(26.58,64.8) v25(26.57,51.2) v25(26.72,84.35) v25(26.8,75.87) v25(26.79,69.72) v25(26.75,67.68) v25(26.75,66.64) v25(26.76,65.33) v25(26.76,64.27) v25(26.8,59.5) v25(28.12,72.3) v25(28.21,67.7) v25(28.21,66.66) v25(28.22,65.33) v25(28.21,64.3) v25(28.19,62.17) v25(28.32,56.33) v25(28.32,47.64) v25(28.39,67.17) v25(28.39,64.81) v25(28.84,56.16) v25(28.83,47.8) v25(29.11,68.89) v25(29.33,47.65) v25(29.38,58.32) v25(29.36,55.98) v25(29.67,44.12) v25(30.51,50.69) v25(31.36,63.17) v25(31.63,68.78) v25(32.21,72.53) v25(32.51,19.02) v25(33.01,59.22) v25(33.08,80.86) v25(33.23,81.36) v25(33.39,81.87) v25(33.57,63.17) v25(33.8,15.25) v25(33.85,68.78) v25(34.21,9.37) v25(34.62,49.22) v25(34.84,17.4) v25(35.05,14.28) v25(35.06,18.53) v25(35.21,11.53) v25(35.45,84.35) v25(35.8,73.88) v25(35.8,44.12) v25(36.04,76.23) v25(35.99,63.05) v25(36.56,76.05) v25(36.71,50.69) v25(36.79,84.35) v25(36.85,67.16) v25(36.85,64.8) v25(36.89,51.21) v25(36.88,50.16) v25(37.05,69.72) v25(37.03,67.7) v25(37.03,66.62) v25(37.03,65.33) v25(37.03,64.28) v25(36.99,59.5) v25(37.09,75.87) v25(37.43,44.12) v25(37.89,19.2) v25(37.89,17.9) v25(38.11,16.75) v25(38.35,72.3) v25(38.32,42.11) v25(38.43,67.71) v25(38.43,66.65) v25(38.43,65.35) v25(38.43,64.27) v25(38.41,62.17) v25(38.45,80.85) v25(38.5,56.34) v25(38.62,81.36) v25(38.61,67.17) v25(38.61,64.81) v25(38.78,81.87) v25(39.03,56.16) v25(39.37,68.89) v25(39.55,55.98) v25(39.75,58.32) v25(40.6,14.35) v25(40.76,84.35) v25(41.16,22.12) v25(41.33,42.48) v25(41.29,19.2) v25(41.35,28.71) v25(41.6,63.17) v25(41.61,31.29) v25(41.7,10.69) v25(41.86,68.78) v25(41.94,50.17) v25(41.86,33.37) v25(42.13,84.35) v25(42.11,50.69) v25(42.17,49.22) v25(42.28,51.2) v25(42.26,35.15) v25(42.45,72.52) v25(42.61,33.22) v25(42.92,15.44) v25(42.92,14.48) v25(43.34,59.23) v25(43.27,14.97) v25(43.35,39.47) v25(43.37,33.05) v25(43.6,15.45) v25(43.61,14.49) v25(43.82,20.59) v25(43.89,63.17) v25(44.08,68.78) v25(45.54,37.1) v25(45.66,19.2) v25(46.02,73.87) v25(46.3,76.22) v25(46.35,63.05) v25(46.83,76.05) v25(46.99,14.43) v25(46.96,13.5) v25(47.1,67.16) v25(47.1,64.8) v25(47.34,75.89) v25(47.3,69.72) v25(47.28,67.7) v25(47.28,66.64) v25(47.27,65.33) v25(47.28,64.27) v25(47.34,59.5) v25(47.27,20.21) v25(47.27,18.14) v25(47.28,16.08) v25(47.29,13.98) v25(52.2,26.42) v25(52.42,18.11) v25(52.66,39.83) v25(52.68,36.76) v25(52.68,31.51) v25(52.68,28.4) v25(53.64,19.41) v25(53.64,14.01) v25(55.27,10.95) v25(55.53,42.28) v25(56.01,79.39) v25(56.06,22.51) v25(56.25,17.25) v25(56.25,16.32) v25(56.25,15.51) v25(56.53,13.85) v25(57.02,10.96) v25(57.8,19.65) v25(58.92,42.28) v25(59,23) v25(60.77,18.92) v25(60.76,17.79) v25(61.16,69.34) v25(61.4,18.4) v25(61.92,19.04) v25(61.9,17.81) v25(62.12,68.23) v25(63.12,42.28) v25(63.8,23) v25(64.47,58.66) v25(64.8,21.7) v25(64.8,20.4) v25(64.8,19.1) v25(66.55,17.06) v25(66.55,16.28) v25(66.57,15.45) v25(66.87,9.77) v25(66.88,8.98) v25(66.87,8.17) v25(67.33,23) v25(67.67,58.23) v25(67.67,57.29) v25(68,57.74) v25(68.14,17.18) v25(68.15,16.32) v25(68.15,15.5) v25(68.29,58.2) v25(68.33,57.28) v25(68.46,42.28) v25(68.5,21.7) v25(68.49,19.1) v25(69.13,13.85) v25(69.6,21.94) v25(69.73,57.4) v25(71,23) v25(71.08,53.5) v25(71.12,51.93) v25(71.18,52.68) v25(71.84,53.41) v25(71.9,52.7) v25(71.89,51.97) v25(72.15,57.39) v25(72.61,52.68) v25(72.67,53.49) v25(72.68,51.9) v25(72.73,18.93) v25(72.81,39.54) v25(72.8,26.16) v25(72.79,17.8) v25(73.27,28.61) v25(73.4,18.4) v25(73.48,27.45) v25(73.99,37.1) v25(73.99,36.12) v25(73.98,19.01) v25(73.95,17.79) v25(74.5,26.3) v25(74.71,27.45) v25(74.72,25.15) v25(75.8,23) v25(76.35,55.71) v25(76.35,54.77) v25(76.8,21.7) v25(76.8,20.4) v25(76.8,19.1) v25(78.64,17.12) v25(78.65,16.28) v25(78.66,15.45) v25(79.12,52.67) v25(79.14,51.95) v25(79.12,9.77) v25(79.12,8.17) v25(80.05,26.3) v25(80.42,57.56) v25(80.5,21.7) v25(80.49,19.1) v25(81.53,25.05) v25(81.65,21.95) v25(82.55,14.33) v25(82.7,27.5) v25(82.7,26.2) 